# Altium PCB hava_kalitesi_olcumu.PcbDoc (continued)
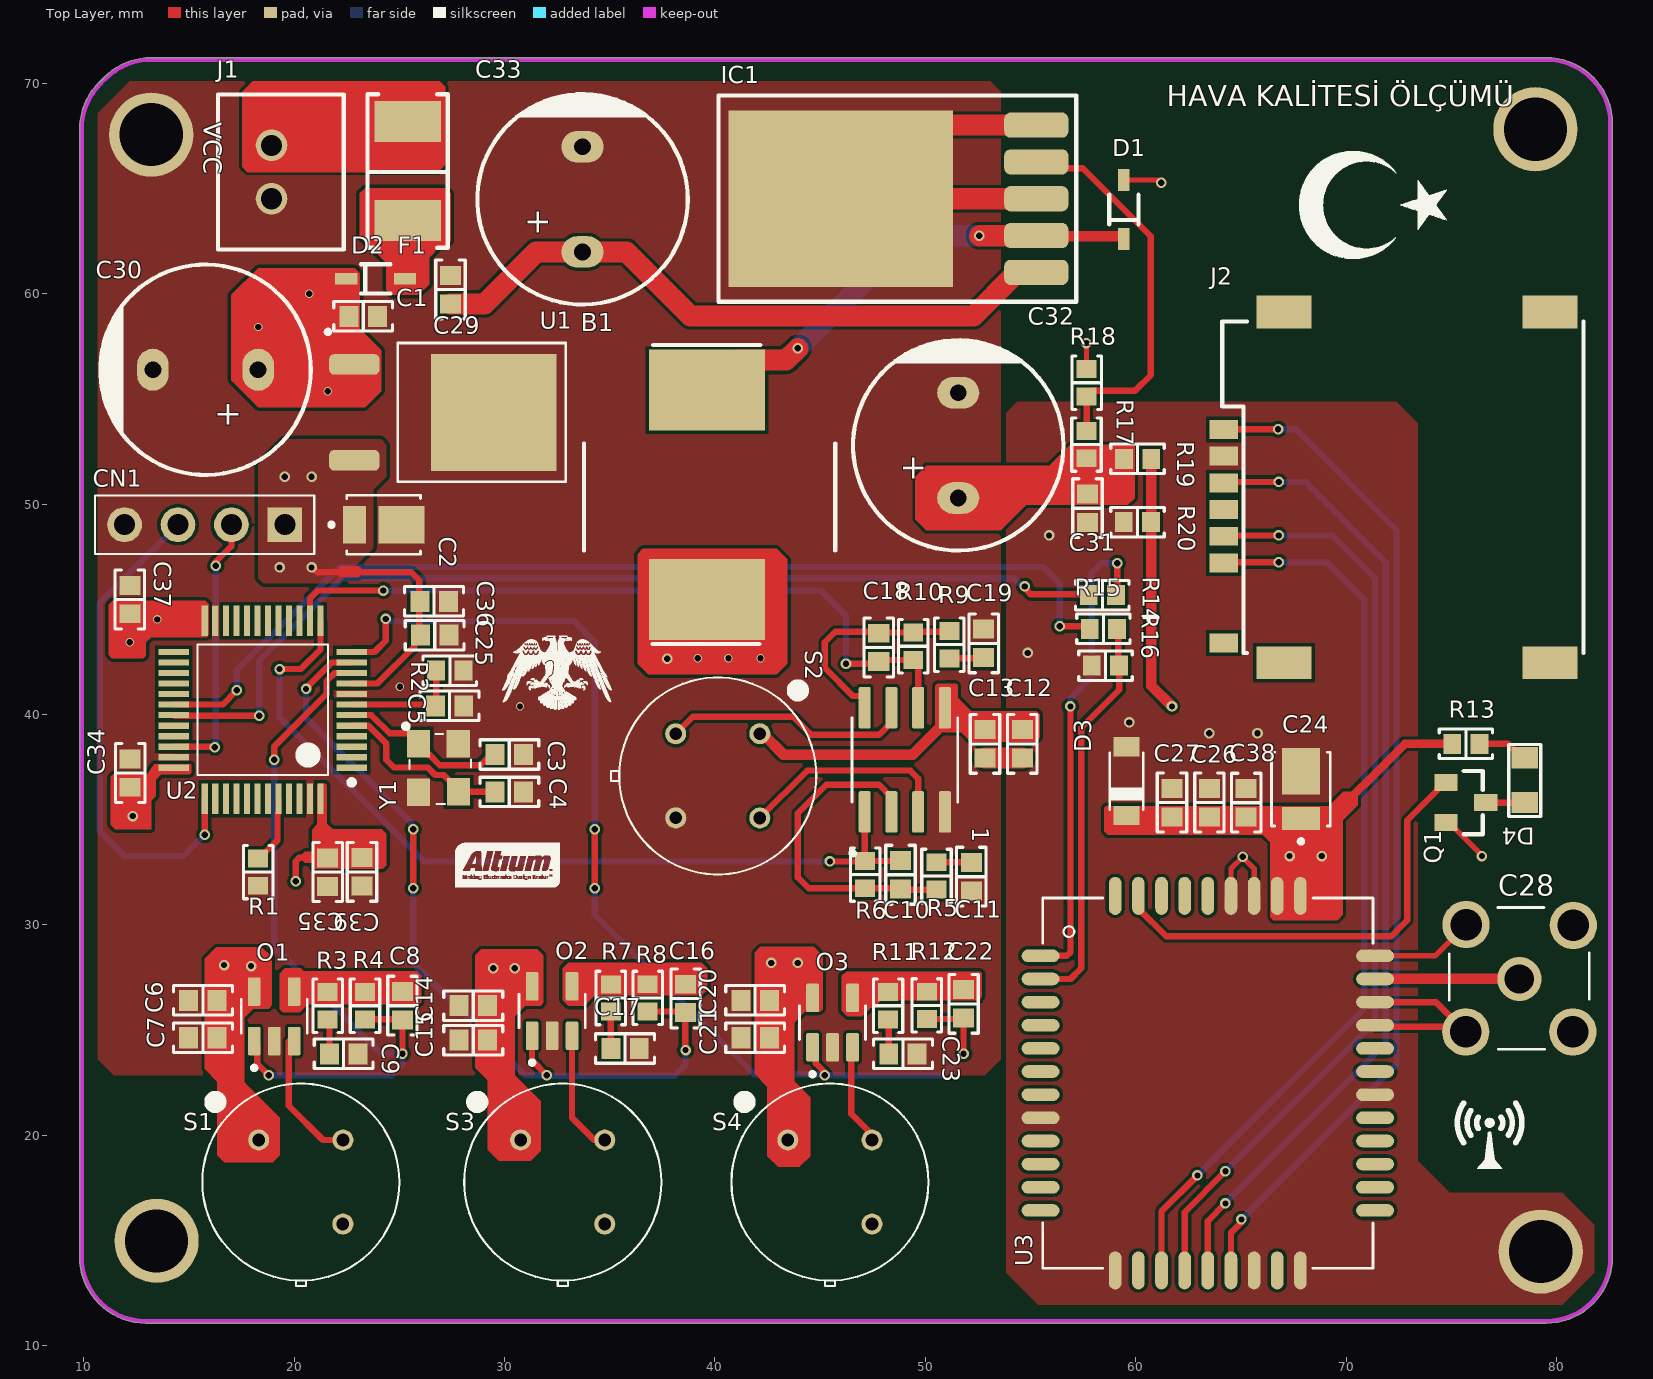
[diagram p0: Top Layer view]
## Footprints (in the part's own frame and the unit in brackets; to place one, negate y for a bottom-side part, rotate by r counter-clockwise, add the part's x,y. Pads: shape width x height; smd on the part's side, far side on the other; paste and mask are expansions set on the pad)
"10x12 Al Cap" [mm]
  oval 1.5x2 hole 0.8: 1(-2.53,0.078) 2(2.47,0.078)
  silkscreen extent -5.03,-4.92 4.97,5.08, body extent -5.03,-4.92 4.97,5.08, height 12.7
"0805 Green LED" [mm] "Led 0805"
  rect 1x1.27 smd: 1(-0.016,0) 2(2.118,0)
  silkscreen extent -0.65,-0.76 2.78,0.76, body extent -0.01,-0.62 2.01,0.63, height 1.1
1808 [mm] "Littelfuse Fuse  6.1mm x 2.69mmx 2.69mm"
  rect 1.96x3.15 smd: 1(-2.4,0) 2(2.3,0)
  silkscreen extent -3.7,-1.91 3.6,1.9, body extent -3.09,-1.38 3.01,1.31, height 2.88
"132134-11 SMA ANTEN" [mm] "CONN SMA JACK STR 50 OHM PCB"
  round 2.25 hole 1.5: G(-1.723,-2.265) G(-1.722,2.826) G(3.339,-2.288) G(3.38,2.811)
  round 2.1 hole 1.4: S(0.794,0.278)
  silkscreen extent -2.54,-3.05 4.19,3.61, body extent -2.39,-2.89 3.96,3.46, height 10
"CAP 0603_1608" [mm] "Chip Capacitor, 2-Leads, Body 1.60x0.80mm, IPC Medium Density"
  rect 0.9x1 smd: 1(-0.675,0) 2(0.675,0)
  silkscreen extent -1.4,-0.7 1.4,0.7, body extent -0.8,-0.41 0.8,0.41, height 0.82
"CONN4 MALE" [mm] "4 PIN 2.54MM"
  rect 1.65x1.65 hole 1 mask+0: 1(3.81,0)
  round 1.65 hole 1 mask+0: 2(1.27,0) 3(-1.27,0) 4(-3.81,0)
  silkscreen extent -5.21,-1.4 5.21,1.4, body extent -5.13,-1.29 5.03,1.25, height 8.89
D2PAK [mm]
  rrect50% 1.2x3.05 smd: 1(-3.6,-7.85) 2(-1.85,-7.85) 3(-0.1,-7.85) 4(1.65,-7.85) 5(3.4,-7.85)
  rect 8.38x10.66 smd mask+0.102: 3(-0.1,1.45)
  silkscreen extent -5,-9.75 4.8,7.25, body extent -5.01,-9.01 4.81,5.59, height 4.22
DR125 [mm]
  rect 3.85x5.5 smd: 1(0,0) 2(9.95,0)
  silkscreen extent -2.14,-5.84 12.06,6.1, body extent -0.92,-5.87 11.08,6.13, height 5.92
GCT_SIM7100-6-1-15-00-A_REVC [mm]
  rect 1.56x2.61 smd: 1(-8.34,5.34) 2(-8.34,-7.29) 3(8.34,-7.29) 4(8.34,5.34)
  rect 0.9x1.35 smd: C1(2.755,8.215) C2(0.215,8.215) C3(-2.325,8.215) C5(1.485,8.215) C6(-1.055,8.215) C7(-3.595,8.215) CD(-7.405,8.215)
  silkscreen extent -7.88,-8.89 7.88,8.28, body extent -8.41,-8.99 8.34,8.34, height 1.5
JST2 [mm] "2 PIN 2.54MM"
  round 1.5 hole 1 mask+0.102: 1(-1.27,0.127) 2(1.27,0.127)
  silkscreen extent -3.68,-3.3 3.68,2.67, body extent -3.61,-3.23 3.61,2.62, height 7.21
LCC110P1570X1760X250-42N [mm]
  oval 1.8x0.6 smd: 1(-7.95,6.05) 2(-7.95,4.95) 3(-7.95,3.85) 4(-7.95,2.75) 5(-7.95,1.65) 6(-7.95,0.55) 7(-7.95,-0.55) 8(-7.95,-1.65) 9(-7.95,-2.75) 10(-7.95,-3.85) 11(-7.95,-4.95) 12(-7.95,-6.05) 22(7.95,-6.05) 23(7.95,-4.95) 24(7.95,-3.85) 25(7.95,-2.75) 26(7.95,-1.65) 27(7.95,-0.55) 28(7.95,0.55) 29(7.95,1.65) 30(7.95,2.75) 31(7.95,3.85) 32(7.95,4.95) 33(7.95,6.05)
  oval 0.6x1.8 smd: 13(-4.4,-8.9) 14(-3.3,-8.9) 15(-2.2,-8.9) 16(-1.1,-8.9) 17(0,-8.9) 18(1.1,-8.9) 19(2.2,-8.9) 20(3.3,-8.9) 21(4.4,-8.9) 34(4.4,8.9) 35(3.3,8.9) 36(2.2,8.9) 37(1.1,8.9) 38(0,8.9) 39(-1.1,8.9) 40(-2.2,8.9) 41(-3.3,8.9) 42(-4.4,8.9)
  silkscreen extent -7.85,-8.8 7.85,8.8, body extent -7.8,-8.8 7.9,8.8, height 2.38
LQFP48 [mm] "TSQFP, 48-Leads, Body 7,00x7,00mm, Pitch 0,50mm, IPC Medium Density"
  rect 1.45x0.3 smd mask+0.05: 1(-4.225,2.75) 2(-4.225,2.25) 3(-4.225,1.75) 4(-4.225,1.25) 5(-4.225,0.75) 6(-4.225,0.25) 7(-4.225,-0.25) 8(-4.225,-0.75) 9(-4.225,-1.25) 10(-4.225,-1.75) 11(-4.225,-2.25) 12(-4.225,-2.75) 25(4.225,-2.75) 26(4.225,-2.25) 27(4.225,-1.75) 28(4.225,-1.25) 29(4.225,-0.75) 30(4.225,-0.25) 31(4.225,0.25) 32(4.225,0.75) 33(4.225,1.25) 34(4.225,1.75) 35(4.225,2.25) 36(4.225,2.75)
  rect 0.3x1.45 smd mask+0.05: 13(-2.75,-4.225) 14(-2.25,-4.225) 15(-1.75,-4.225) 16(-1.25,-4.225) 17(-0.75,-4.225) 18(-0.25,-4.225) 19(0.25,-4.225) 20(0.75,-4.225) 21(1.25,-4.225) 22(1.75,-4.225) 23(2.25,-4.225) 24(2.75,-4.225) 37(2.75,4.225) 38(2.25,4.225) 39(1.75,4.225) 40(1.25,4.225) 41(0.75,4.225) 42(0.25,4.225) 43(-0.25,4.225) 44(-0.75,4.225) 45(-1.25,4.225) 46(-1.75,4.225) 47(-2.25,4.225) 48(-2.75,4.225)
  silkscreen extent -4.35,-3.1 3.1,3.57, body extent -4.5,-4.5 4.5,4.5, height 1.6
OSCILLATOR [mm] "8MHZ 12.5pF"
  rect 1.3x1.1 smd mask+0.05: 1(-1.181,-1.09) 2(1.119,-1.09) 3(1.103,0.817) 4(-1.186,0.801)
  silkscreen extent -2.11,-1.79 1.68,1.41, body extent -1.6,-1.38 1.6,1.12, height 1.22
"RES 0603_1608" [mm] "Chip Resistor, 2-Leads, Body 1.60x0.80mm, IPC Medium Density"
  rect 0.85x0.95 smd: 1(-0.65,0) 2(0.65,0)
  silkscreen extent -1.27,-0.7 1.27,0.7, body extent -0.8,-0.4 0.8,0.4, height 0.45
SOD123 [mm]
  rect 0.91x1.22 smd: A(1.127,-0.127) C(-2.143,-0.127)
  silkscreen extent -1.86,-0.93 0.84,0.67, body extent -2.37,-0.95 1.32,0.65, height 1.35
SOD323F [mm]
  rect 1.05x0.55 smd mask+0.05: 1(-1.4,0) 2(1.4,0)
  silkscreen extent -0.7,-0.7 0.7,0.7, body extent -1.25,-0.67 1.25,0.68, height 1
SOIC8 [mm]
  rrect25% 1.97x0.57 smd: 1(-2.475,1.905) 2(-2.475,0.635) 3(-2.475,-0.635) 4(-2.475,-1.905) 5(2.475,-1.905) 6(2.475,-0.635) 7(2.475,0.635) 8(2.475,1.905)
  silkscreen extent -4.54,-2.51 2,2.57, body extent -3,-2.45 3,2.45, height 1.75
SOT23-5 [mm]
  rrect25% 1.36x0.6 smd: 1(-1.175,0.95) 2(-1.175,0) 3(-1.175,-0.95) 4(1.175,-0.95) 5(1.175,0.95)
  silkscreen extent -2.55,-1.57 0.8,1.57, body extent -1.4,-1.35 1.4,1.55, height 1.45
SOT-23F [mm]
  rect 0.8x1.1 smd mask+0.05: 1(-0.95,-0.945) 2(0.95,-0.945) 3(0,0.945)
  silkscreen extent -1.5,-0.1 1.5,0.8, body extent -1.5,-1.42 1.5,1.42, height 1.2
"TANTAL B-CASE" [mm]
  rect 1.1x1.8 smd: +(2.24,0)
  rect 2.2x1.8 smd: -(0,0)
  silkscreen extent -0.9,-1.4 3.43,1.4, body extent -1.01,-1.48 2.69,1.52, height 2.11
"TO252-3 DPAK" [mm]
  rrect50% 0.98x2.4 smd: 1(-2.28,-6.62) 2(2.28,-6.62)
  rect 5.57x5.96 smd paste-4: 3(0,0)
  silkscreen extent -3.92,-7.97 3.3,3.43, body extent -3.27,-7.24 3.27,2.43, height 2.29
"TO-39 CIRCLE" [mm] "GAS DETECTOR"
  round 1 hole 0.6 mask+0.102: 1(-2.001,-2.004) 2(-1.999,1.998) 3(1.996,1.995)
  silkscreen extent -4.68,-4.68 4.95,4.68, body extent -4.59,-4.59 4.97,4.6, height 4.25
"TO-39 DUAL" [mm] "GAS DETECTOR"
  round 1 hole 0.6 mask+0.102: 1(-2.255,-2.004) 2(-2.253,1.998) 3(1.743,-2.002) 4(1.742,1.995)
  silkscreen extent -4.94,-4.68 4.83,4.68, body extent -4.85,-4.59 4.83,4.6, height 3.9

## Part data
1: "Operational Amplifiers Op Amps SOIC-8 2 Channel 20 MHz", ComponentLink1Description=Digi-Key, ComponentLink1URL=https://www.digikey.com/en/products/detail/stmicroelectronics/TSV992IDT/1578406
B1: "DR125"
C1 C3 C4 C5 C6 C7 C8 C9 C10 C11 C12 C13 C14 C15 C16 C17 C18 C19 C20 C21 C22 C23 C25 C26 C27 C29 C31 C34 C35 C36 C37 C38 C39: "CERAMİC 1206 SMD"
C2 C24: "TANTAL"
C28: library part "Anten SMA  2", "SMA Anten Connector", ComponentLink1Description=Özdisan, ComponentLink1URL=https://www.ozdisan.com/konnektor-ve-baglanti-elemanlari/koaksiyel-konnektorler/sma-konnektorler/CONSMA002-G
C30 C32 C33: "Aluminium Electrolytic Capacitors", ComponentLink1URL=https://www.mouser.com.tr/datasheet/2/427/136rvi-1762300.pdf
  C30 C33: ComponentLink1Description=Vishay
  C32: ComponentLink1Description=Vİshay
CN1: "4 PIN 2.54MM"
D1 D2: "Diode, Single, 75 V, 150 mA, 1 V, 4 ns", Average Rectified Current=150mA, Forward Voltage=1V, Manufacturer="ON Semiconductor / Fairchild", Max Forward Surge Current (Ifsm)=2A, Max Operating Temperature=150°C, Max Repetitive Reverse Voltage (Vrrm)=75V, Max Reverse Current=5uA, Min Operating Temperature=-55°C, Package Quantity=1, Power Dissipation=200mW, Supplier Part Number 1=1N4148WSFSCT-ND, Category="Rectifier Diodes", ComponentLink1Description=https://datasheet.ciiva.com/25968/1n914bws-25968945.pdf?src-supplier=Avnet+Europe, ComponentLink1URL=https://datasheet.ciiva.com/25968/1n914bws-25968945.pdf?src-supplier=Avnet+Europe, ComponentLink2Description=https://datasheet.ciiva.com/30479/0900766b810e1cd3-30479206.pdf?src-supplier=RSComponents, ComponentLink2URL=https://datasheet.ciiva.com/30479/0900766b810e1cd3-30479206.pdf?src-supplier=RSComponents, ComponentLink3Description=https://datasheet.ciiva.com/910/1n4148ws-910381.pdf?src-supplier=Digi-Key, ComponentLink3URL=https://datasheet.ciiva.com/910/1n4148ws-910381.pdf?src-supplier=Digi-Key, ComponentLink4Description=https://datasheet.ciiva.com/15208/getdatasheetpartid-127819-15208358.pdf?src-supplier=Verical, ComponentLink4URL=https://datasheet.ciiva.com/15208/getdatasheetpartid-127819-15208358.pdf?src-supplier=Verical, ComponentLink5Description=https://datasheet.ciiva.com/8300/1n914bws-8300360.pdf?src-supplier=Avnet, ComponentLink5URL=https://datasheet.ciiva.com/8300/1n914bws-8300360.pdf?src-supplier=Avnet, ComponentLink6Description=https://datasheet.ciiva.com/910/1n4148ws-910380.pdf?src-supplier=Digi-Key, ComponentLink6URL=https://datasheet.ciiva.com/910/1n4148ws-910380.pdf?src-supplier=Digi-Key, ComponentLink7Description=https://datasheet.ciiva.com/910/1n4148ws-910382.pdf?src-supplier=Digi-Key, ComponentLink7URL=https://datasheet.ciiva.com/910/1n4148ws-910382.pdf?src-supplier=Digi-Key, Contact Plating=Tin,Matte, Element Configuration=Single, Forward Current=150mA, Height=1mm, Lead Free="Lead Free", Length=1.8mm, Manufacturer Part Number=1N4148WS, Max Reverse Voltage (DC)=75V, Mount="Surface Mount", Number of Pins=2, Packaging="Tape and Reel", Pricing 1="1=0,17000, 10=0,12100, 100=0,06530, 500=0,05128, 1000=0,03562 (USD)", Radiation Hardening=No, REACH SVHC="No SVHC", Recovery Time=4ns, Reverse Recovery Time=4ns, Reverse Voltage=75V, RoHS=Yes, RoHS Compliant=Yes, Series=-, Stock 1=79118, Supplier 1=Digi-Key, Weight=0.0276g, Width=1.35mm
D3: "SOD123", Breakdown Voltage=5.88V, Case/Package=SMB, Forward Voltage=1.5V, Manufacturer="ON Semiconductor", Manufacturer Part Number=1SMB5919BT3G, Max Operating Temperature=150°C, Max Power Dissipation=3W, Max Reverse Current=5uA, Min Operating Temperature=-65°C, Package Quantity=1, Power Dissipation=550mW, Supplier Part Number 1=1SMB5919BT3GOSCT-ND, Test Current=66.9mA, Tolerance=5%, Voltage Rating (DC)=5.6V, Zener Current=267mA, Category="Zener Diodes", ComponentLink2Description=https://datasheet.ciiva.com/1182/1smb5913bt3-d-1182657.pdf?src-supplier=Element14, ComponentLink2URL=https://datasheet.ciiva.com/1182/1smb5913bt3-d-1182657.pdf?src-supplier=Element14, ComponentLink3Description=https://datasheet.ciiva.com/1182/1smb5913bt3-d-1182658.pdf?src-supplier=Element14, ComponentLink3URL=https://datasheet.ciiva.com/1182/1smb5913bt3-d-1182658.pdf?src-supplier=Element14, ComponentLink4Description=https://datasheet.ciiva.com/895/1smb5913bt3-d-895203.pdf?src-supplier=Digi-Key, ComponentLink4URL=https://datasheet.ciiva.com/895/1smb5913bt3-d-895203.pdf?src-supplier=Digi-Key, ComponentLink5Description=https://datasheet.ciiva.com/895/1smb5913bt3-d-895204.pdf?src-supplier=Digi-Key, ComponentLink5URL=https://datasheet.ciiva.com/895/1smb5913bt3-d-895204.pdf?src-supplier=Digi-Key, ComponentLink6Description=https://datasheet.ciiva.com/895/1smb5913bt3-d-895205.pdf?src-supplier=Digi-Key, ComponentLink6URL=https://datasheet.ciiva.com/895/1smb5913bt3-d-895205.pdf?src-supplier=Digi-Key, ComponentLink7Description=https://datasheet.ciiva.com/15198/getdatasheetpartid-311040-15198695.pdf?src-supplier=Verical, ComponentLink7URL=https://datasheet.ciiva.com/15198/getdatasheetpartid-311040-15198695.pdf?src-supplier=Verical, ComponentLink8Description=https://datasheet.ciiva.com/16311/1smb5913bt3-d-16311847.pdf?src-supplier=Future+Electronics, ComponentLink8URL=https://datasheet.ciiva.com/16311/1smb5913bt3-d-16311847.pdf?src-supplier=Future+Electronics, ComponentLink9Description=https://datasheet.ciiva.com/16472/1smb5913bt3-d-16472779.pdf?src-supplier=Avnet+Asia, ComponentLink9URL=https://datasheet.ciiva.com/16472/1smb5913bt3-d-16472779.pdf?src-supplier=Avnet+Asia, Contact Plating=Tin,Matte, Element Configuration=Single, ESD Protection=Yes, Halogen Free="Halogen Free", Height=2.13mm, Lead Free="Lead Free", Length=4.32mm, Material=Plastic, Max Reverse Leakage Current=5uA, Number of Pins=2, Packaging="Tape and Reel", Power Rating=3W, Pricing 1="1=0,45000, 10=0,31900, 100=0,16110, 500=0,14274, 1000=0,11109 (USD)", Radiation Hardening=No, REACH SVHC="No SVHC", RoHS=Yes, Supplier 1=Digi-Key, Voltage Tolerance=5%, Width=3.56mm, Zener Voltage=5.6V, Impedance=2R
D4: Current=20mA, Manufacturer="AVAGO Technologies", Manufacturer Code=HSMG-C170, Voltage=2.2V, Farnell Code=5790852, Unit Price="0,134 €"
F1: library part FUSE, "FUSE BRD MNT 125VAC/VDC", ComponentLink1Description=Direnc.net, ComponentLink1URL=https://www.direnc.net/1a-smd-sigorta, ComponentLink2Description=Motorobit, ComponentLink2URL=https://www.motorobit.com/urun/1a-1808-kilif-smd-sigorta, ComponentLink3Description=Datasheet, ComponentLink3URL=https://www.littelfuse.com/~/media/electronics/datasheets/fuses/littelfuse_fuse_452_454_datasheet.pdf.pdf, ComponentLink4Description=Step, ComponentLink4URL=https://www.3dcontentcentral.com.tr/secure/download-model.aspx?catalogid=171&id=343808, ComponentLink5Description=Özdisan, ComponentLink5URL=https://www.ozdisan.com/devre-koruyucular/sigorta-bilesenleri/sigortalar/0454001-NR
IC1: "Buck Converter"
J1: "2 PIN 2.54MM"
J2: library part SIM7100-6-1-15-00-A, "Memory Card Connectors Micro SIM Card Connector - Push-Push Type, 6 Pin, SMT, 1.50mm Profile", Package=None, Availability=Unavailable, ComponentLink1Description=Özdisan, ComponentLink1URL=https://ozdisan.com/konnektor-ve-baglanti-elemanlari/hafiza-konnektorleri/pc-kart-soketleri/L-KLS1-SIM-064-62P-H1, MF="Global Connector Technology", MP=SIM7100-6-1-15-00-A, Price=None, SnapEDA_Link=https://www.snapeda.com/parts/SIM7100-6-1-15-00-A/Global%20Connector%20Technology/view-part/449163/?ref=snap
O1 O2 O3: "Operational Amplifiers Op Amps SOT23-5 1 Channel 20 MHz", ComponentLink1Description=Mouser, ComponentLink1URL=https://www.mouser.com.tr/ProductDetail/STMicroelectronics/TSV991AILT?qs=NCG0bTVqH4ejiP6AM1B8jw%3D%3D
Q1: "Transistor General Purpose BJT NPN 40 Volt 0.2A Automotive 3-Pin SOT-23", Case/Package=SOT-23, Collector Base Voltage (VCBO)=60V, Collector Emitter Breakdown Voltage=40V, Collector Emitter Saturation Voltage=300mV, Continuous Collector Current=200mA, Emitter Base Voltage (VEBO)=6V, Frequency=300MHz, Manufacturer="Diodes Zetex", Max Operating Temperature=150°C, Max Power Dissipation=300mW, Min Operating Temperature=-55°C, Package Quantity=3000, Power Dissipation=350mW, Supplier Part Number 1=MMBT3904-FDIDKR-ND, Category=BJTs, Collector Emitter Voltage (VCEO)=40V, Collector-emitter Voltage-Max=300mV, ComponentLink1Description=https://datasheet.ciiva.com/11201/ds30036-11201778.pdf?src-supplier=Avnet, ComponentLink1URL=https://datasheet.ciiva.com/11201/ds30036-11201778.pdf?src-supplier=Avnet, ComponentLink2Description=https://datasheet.ciiva.com/15138/getdatasheetpartid-53265-15138780.pdf?src-supplier=Verical, ComponentLink2URL=https://datasheet.ciiva.com/15138/getdatasheetpartid-53265-15138780.pdf?src-supplier=Verical, ComponentLink3Description=https://datasheet.ciiva.com/6361/ds30036-6361254.pdf?src-supplier=Digi-Key, ComponentLink3URL=https://datasheet.ciiva.com/6361/ds30036-6361254.pdf?src-supplier=Digi-Key, ComponentLink4Description=https://datasheet.ciiva.com/22711/1915516-22711750.pdf?src-supplier=Element14, ComponentLink4URL=https://datasheet.ciiva.com/22711/1915516-22711750.pdf?src-supplier=Element14, ComponentLink5Description=https://datasheet.ciiva.com/11198/ds30036-11198999.pdf?src-supplier=Avnet, ComponentLink5URL=https://datasheet.ciiva.com/11198/ds30036-11198999.pdf?src-supplier=Avnet, ComponentLink6Description=https://datasheet.ciiva.com/6361/ds30036-6361256.pdf?src-supplier=Digi-Key, ComponentLink6URL=https://datasheet.ciiva.com/6361/ds30036-6361256.pdf?src-supplier=Digi-Key, Contact Plating=Tin,Matte, Designed by=BERK, Element Configuration=Single, Gain Bandwidth Product=300MHz, Height=1mm, hFE Min=100, Lead Free="Lead Free", Length=3.05mm, Manufacturer Part Number=MMBT3904-7-F, Max Breakdown Voltage=40V, Max Collector Current=200mA, Max Frequency=300MHz, Mount="Surface Mount", Number of Elements=1, Number of Pins=3, Packaging="Tape and Reel", Polarity=NPN, Pricing 1="1=0,12000, 10=0,08600, 25=0,08280, 100=0,04660, 500=0,03664, 1000=0,02544 (USD)", Radiation Hardening=No, REACH SVHC="No SVHC", RoHS=Yes, RoHS Compliant=Yes, Series=-, Stock 1=2393281, Supplier 1=Digi-Key, Transition Frequency=300MHz, Voltage Rating (DC)=40V, Weight=0.000282oz, Width=1.4mm
R1 R2 R3 R4 R5 R6 R7 R8 R9 R10 R11 R12 R13 R14 R15 R16 R17 R18 R19 R20: "SMT RES 1206"
S1 S3 S4: library part "QGC Circle Sensor", "GAS DETECTOR, ANALOG TO-39, GAS"
S2: library part "QGC Dual Sensor", "GAS DETECTOR, ANALOG TO-39, GAS"
U1: library part LD29150, "IC-29150 REG LDO 3V3 1.5A DPAK", ComponentLink1Description=Özdisan, ComponentLink1URL=https://ozdisan.com/entegre-devreler-ics/guc-entegreleri/lineer-voltaj-regulatorleri/LD29150DT33R
U2: "STM32F103C8T6 SMD LQFP-48 32-Bit 72 MHz Mikrodenetleyici", ComponentLink1Description=F1Depo, ComponentLink1URL=https://www.f1depo.com/urun/stm32f103c8t6-smd-lqfp-48-32-bit-72-mhz-mikrodenetleyici, ComponentLink2Description=Datasheet, ComponentLink2URL=https://www.st.com/resource/en/datasheet/stm32f103c8.pdf
U3: "GSM/Bluetooth", Package=None, ComponentLink1Description=Robolink, ComponentLink1URL=https://www.robolinkmarket.com/sim800c-gsm-gprs-modulu, MP=SIM800C, Price=None
Y1: "8MHZ 12.5pF", ComponentLink1Description=Özdisan, ComponentLink1URL=https://ozdisan.com/pasif-komponentler/kristaller-osilatorler-ve-rezanatorler/kristaller/RH100-8-000-12-5-20150-E

## Free pads (board coordinates)
  round 4 hole 3: GND(13.208,67.564) GND(13.462,14.986) GND(78.994,67.818) GND(79.248,14.478)

## Via types
v1: diameter 0.5, hole 0.3, Top Layer to Bottom Layer, 61 vias
v2: diameter 0.4, hole 0.3, Top Layer to Bottom Layer, 10 vias

## Nets (pads, with @x,y where several pads share a name; then routed paths per layer and width w, separated by ;. In a path a pad name is that pad's centre, name@x,y a point inside that pad or via, vN(x,y) a via of type N, cw(c..) or ccw(c..) an arc to the next point about the centre after c; other vN are vias at no path point)
+3V3: C2.+ C25.2 C34.2 C35.2 C36.2 C37.2 C39.2 CN1.1 U1.2 U2.9 U2.24 U2.36 U2.48 | length 17.3
  Top Layer w0.3: v1@12.304,35.288 12.332,35.26 v1(12.332,35.176) ; v1(20.078,32.073) 20.078,33.031 20.254,33.206 21.571,33.206 C35.2 21.64,33.187 22.081,33.628 C39.2@23.686,33.628 ; v1(20.828,46.99) 20.872,46.99 21.104,46.758 25.569,46.758 25.941,46.387 25.941,45.415 C36.2 ; U2.9 23.949,41.475 25.703,43.229 25.703,43.475 C25.2 25.941,43.837 C36.2@25.941,45.379
  other v1: 19.304,46.99 19.558,51.308 20.828,51.308
  other v2: 12.192,43.434 13.486,44.521
+4V2: C24.+ C26.2 C27.2 C38.2 D3.C R13.2 R19.1 R20.2 U3.34 U3.35 | length 21.4
  Top Layer w0.4: v1(68.834,33.274) 68.834,34.655 72.787,38.608 R13.2
  Top Layer w0.5: R19.1 60.733,52.15 R20.2 R20.2 60.73,41.378 v1(61.722,40.386)
  other v1: 67.31,33.274
+5V: 1.5 B1.2 C6.1 C7.2 C12.1 C13.2 C14.1 C15.2 C20.1 C21.2 C31.2 C32.1 O1.5 O2.5 O3.5 R17.2 R19.2 S1.1 S2.1 S3.1 S4.1 | length 10.9
  Top Layer w0.5: B1.2 B1.2@39.878,45.212 ; S2.1 42.268,39.088 43.257,38.1 49.406,38.1 50.927,39.621 1.5
  other v1: 29.464,27.94 30.48,27.94 17.949,28.045 16.669,28.093 42.672,28.194 43.942,28.194 37.736,42.647
  other v2: 39.182,42.669 40.64,42.672 42.164,42.672
+12V: C1.2 C29.2 C30.1 C33.1 D2.1 IC1.1 U1.1 | length 31.3
  Top Layer w1: C29.2 29.043,59.523 31.506,61.986 C33.1 ; C33.1@33.454,61.986 35.804,61.986 38.846,58.944 52.277,58.944 54.249,60.916 IC1.1@55.348,60.916
  other v2: 21.59,55.372 18.288,58.42 20.712,60.006
CO2_IN+: O3.3 S4.2 | length 4.9
  Top Layer w0.3: O3.3 46.482,24.125 46.482,21.018 S4.2@47.691,19.809
CO2_IN-: C22.1 O3.4 R11.2 R12.1
CO2_OUT: C22.2 O3.1 R12.2 U2.12 | length 52.3
  Top Layer w0.3: U2.12 23.818,42.975 24.348,43.505 v1(24.348,44.543) ; v1(34.29,31.75) v1(34.29,34.544) ; O3.1 44.789,24.031 44.789,23.419 45.212,22.995 v1(45.212,22.86) ; R12.2 51.767,25.525 C22.2 v1(51.816,23.876)
  Bottom Layer w0.3: v1@24.384,44.45 33.274,44.45 34.29,43.434 v1(34.29,34.544) ; v1(34.29,31.75) 34.29,30.48 41.872,22.898 45.174,22.898 v1(45.212,22.86) 50.8,22.86 v1(51.816,23.876)
CO_IN+: O2.3 S3.2 | length 4.9
  Top Layer w0.3: O2.3@33.208,24.225 33.208,20.827 34.256,19.779
CO_IN-: C16.1 O2.4 R7.2 R8.1
CO_OUT: C16.2 O2.1 R8.2 U2.11 | length 39.7
  Top Layer w0.3: v1(20.563,41.216) 20.563,41.249 21.79,42.475 U2.11 ; v1(25.654,31.75) v1(25.654,34.544) ; O2.1 31.308,23.556 v1(32.004,22.86) ; R8.2 38.554,25.882 C16.2 38.593,25.821 38.593,24.064 v1(38.604,24.054)
  Bottom Layer w0.3: v1(20.563,41.216) 20.563,39.852 25.558,34.857 25.558,34.64 v1(25.654,34.544) ; v1(25.654,31.75) 25.654,28.194 30.988,22.86 v1(32.004,22.86) 32.03,22.834 38.074,22.834 38.604,23.364 v1(38.604,24.054)
Feedback: IC1.4 R17.1 R18.2 | length 18.7
  Top Layer w0.3: IC1.4 55.569,65.971 57.473,65.971 60.706,62.738 60.706,56.134 59.965,55.393 57.943,55.393 R18.2 57.669,53.493 R17.1 ; IC1.4@55.348,65.912 IC1.4@55.442,65.818
GND: 1.4 C1.1 C2.- C3.2 C4.2 C5.1 C6.2 C7.1 C9.1 C11.1 C12.2 C13.1 C14.2 C15.1 C17.1 C19.1 C20.2 C21.1 C23.1 C24.- C25.1 C26.1 C27.1 C28.G C29.1 C30.2 C31.1 C32.2 C33.2 C34.1 C35.1 C36.1 C37.1 C38.1 C39.1 CN1.4 D1.2 D3.A IC1.3 IC1.5 J1.1 J2.C5 O1.2 O2.2 O3.2 pad.GND Q1.2 R1.1 R2.2 R16.1 R18.1 R20.1 S1.3 S2.4 S3.3 S4.3 U1.3 U2.8 U2.23 U2.35 U2.47 U3.8 U3.13 U3.19 U3.21 U3.27 U3.30 U3.31 U3.33 U3.36 U3.37 Y1.2 Y1.4 | length 45.4
  Top Layer w0.254: v1(57.658,57.658) 57.658,56.431 R18.1 ; D1.2 61.017,65.408 61.147,65.278 v1(61.214,65.278) ; U3.37 64.524,32.679 v1(65.084,33.238) 65.084,33.215 65.624,32.674 U3.36 ; U3.33 74.214,28.532 C28.G@75.699,30.018 ; Q1.2 74.897,34.864 76.454,33.307 v1(76.454,33.274)
  Top Layer w0.3: J2.C5 J2.C5@64.214,52.324 ; U3.30 71.44,25.166 C28.G@75.435,25.166 ; U3.31 74.269,26.332 C28.G@75.435,25.166 ; C28.G@75.685,24.916 C28.G@75.435,25.166
  Top Layer w1: C13.1 C12.2 ; IC1.3@55.274,64.516 45.974,64.516 49.474,68.016 IC1.5
  other v1: 63.5,39.116 65.786,39.116 59.69,39.624 54.864,42.926 55.88,48.514
  other v2: 30.734,40.386 25.027,41.326
GSM_ANT: C28.S U3.32 | length 6.9
  Top Layer w0.5: U3.32 C28.S
GSM_RX: R15.1 U2.30 | length 49.2
  Top Layer w0.3: U2.30 16.599,40.475 v1(17.272,41.148) ; v1(56.388,44.196) 57.689,44.196 R15.1
  Bottom Layer w0.3: v1(17.272,41.148) 17.272,42.12 22.165,47.013 55.603,47.013 56.388,46.228 v1(56.388,44.196)
GSM_TX: R14.1 U2.31 | length 48.1
  Top Layer w0.3: U2.31 14.318,39.938 v1(18.348,39.938) ; v1(54.725,46.089) 54.745,46.069 54.745,45.974 54.999,45.72 57.716,45.72 R14.1
  Bottom Layer w0.3: v1(18.348,39.938) 18.348,42.556 22.273,46.482 54.197,46.482 54.49,46.189 54.571,46.189 54.671,46.089 v1(54.725,46.089)
NetB1_1: B1.1 D1.1 IC1.2 | length 23.3
  Top Layer w0.5: IC1.2 55.302,62.738 59.411,62.738 59.436,62.713 D1.1@59.436,62.35
  Top Layer w1: B1.1 41.049,56.841 43.379,56.841 v1(43.942,57.404) ; v1(52.566,62.758) 55.226,62.758 55.246,62.738 IC1.2
  Bottom Layer w1: v1(43.942,57.404) 49.296,62.758 v1(52.566,62.758)
NetC9_2: C9.2 R3.1 | length 1.7
  Top Layer w0.3: R3.1 21.677,25.425 C9.2
NetC11_2: C11.2 R5.1 | length 1.7
  Top Layer w0.3: R5.1 52.177,32.978 C11.2
NetC17_2: C17.2 R7.1 | length 1.7
  Top Layer w0.3: C17.2 R7.1
NetC19_2: C19.2 R9.1 | length 1.7
  Top Layer w0.3: R9.1 52.736,42.672 C19.2
NetC23_2: C23.2 R11.1 | length 1.6
  Top Layer w0.3: R11.1 48.26,25.476 C23.2
NetD2_2: D2.2 F1.2
NetD4_1: D4.1 R13.1 | length 2.4
  Top Layer w0.3: R13.1 77.691,38.608 78.351,37.948 D4.1
NetD4_2: D4.2 Q1.3 | length 1.8
  Top Layer w0.3: Q1.3 D4.2
NetF1_1: F1.1 J1.2
NETLIGHT: Q1.1 U3.41 | length 21.6
  Top Layer w0.3: U3.41 60.124,30.782 61.442,29.464 72.136,29.464 72.898,30.226 72.898,34.981 74.347,36.43 74.347,36.514 74.63,36.797 Q1.1@74.714,36.797
NetR1_2: R1.2 U2.44 | length 3.3
  Top Layer w0.3: R1.2 18.338,33.162 19.208,34.032 19.208,35.289 19.256,35.337 U2.44
NetR14_2: R14.2 U3.1 | length 22.9
  Top Layer w0.3: U3.1 56.72,28.532 56.896,28.708 v1(56.896,40.386) ; R14.2 59.123,45.731 v1(59.123,47.185)
  Bottom Layer w0.3: v1(56.896,40.386) 56.896,40.775 57.912,41.791 57.912,46.736 58.361,47.185 v1(59.123,47.185)
NetR15_2: R15.2 R16.2 U3.2 | length 19.1
  Top Layer w0.3: U3.2 56.896,27.432 57.404,27.94 57.404,39.37 59.211,41.177 R16.2 59.162,42.369 59.162,44.023 R15.2
NO2_IN1+: 1.3 S2.2 | length 10.2
  Top Layer w0.3: S2.2 44.383,37.338 49.276,37.338 49.657,36.957 1.3
NO2_IN1-: 1.2 C10.1 R5.2 R6.1 | length 15.8
  Top Layer w0.3: 1.2 48.387,36.071 47.8,36.658 45.294,36.658 43.942,35.306 43.942,32.258 44.456,31.744 R6.1 48.786,31.744 C10.1 48.852,31.678 R5.2
NO2_IN2+: 1.7 S2.3 | length 11.9
  Top Layer w0.3: S2.3 38.939,39.89 43.713,39.89 44.569,39.034 47.8,39.034 48.387,39.621 1.7
NO2_IN2-: 1.8 C18.1 R9.2 R10.1 | length 10.4
  Top Layer w0.3: 1.8 47.117,40.745 46.982,40.88 46.558,40.88 45.212,42.226 45.212,43.434 45.72,43.942 47.708,43.942 C18.1 47.818,43.897 R10.1 49.462,43.935 51.098,43.935 R9.2
NO2_OUT1: 1.1 C10.2 R6.2 U2.13 | length 40.7
  Top Layer w0.3: v1(19.304,42.164) 20.32,42.164 21.256,43.1 U2.13 ; v1(45.466,33.02) 47.112,33.02 R6.2 ; 1.1 47.117,33.062 R6.2 ; C10.2 48.805,33.044 R6.2
  Bottom Layer w0.3: v1(19.304,42.164) 19.304,39.878 26.162,33.02 v1(45.466,33.02)
NO2_OUT2: 1.6 C18.2 R10.2 U2.14 | length 35.1
  Top Layer w0.3: U2.14 20.756,45.537 21.114,45.895 v1(24.237,45.895) ; v1(46.228,42.418) 47.689,42.418 C18.2 47.868,42.597 R10.2 49.657,42.365 1.6
  Bottom Layer w0.3: v1(24.237,45.895) 45.037,45.895 46.228,44.704 v1(46.228,42.418)
NRST: C5.2 R2.1 U2.7 | length 5.7
  Top Layer w0.3: U2.7 26.651,40.475 C5.2 26.75,40.457 R2.1
OSC_IN: C4.1 U2.5 Y1.3 | length 8.6
  Top Layer w0.3: U2.5 23.533,39.475 24.383,38.625 24.383,37.847 24.749,37.481 26.362,37.481 26.715,37.129 27.11,37.129 27.815,36.423 Y1.3 29.55,36.323 C4.1
OSC_OUT: C3.1 U2.6 Y1.1 | length 8.3
  Top Layer w0.3: U2.6 23.672,39.975 24.539,39.108 25.508,39.108 25.908,38.708 Y1.1 25.908,38.508 26.308,38.108 26.408,38.108 26.924,37.592 28.839,37.592 29.551,38.304 C3.1@29.551,38.354
SIM_CLK: J2.C3 U3.16 | length 44.7
  Top Layer w0.3: U3.16 62.324,16.35 v1(64.262,18.288) ; J2.C3 64.214,48.514 v1(66.802,48.514)
  Bottom Layer w0.3: v1(64.262,18.288) 71.374,25.4 71.374,46.482 69.342,48.514 v1(66.802,48.514)
SIM_DATA: J2.C7 U3.15 | length 43.3
  Top Layer w0.3: U3.15 61.224,16.384 v1(62.933,18.093) ; J2.C7 64.214,47.244 v1(66.802,47.244)
  Bottom Layer w0.3: v1(62.933,18.093) 70.866,26.026 70.866,45.466 69.088,47.244 v1(66.802,47.244)
SIM_RST: J2.C2 U3.17 | length 46.5
  Top Layer w0.3: U3.17 63.424,15.926 v1(64.262,16.764) ; J2.C2 64.214,51.054 v1(66.802,51.054)
  Bottom Layer w0.3: v1(64.262,16.764) 71.882,24.384 71.882,47.244 68.072,51.054 v1(66.802,51.054)
SIM_VDD: J2.C1 U3.18 | length 48.6
  Top Layer w0.3: J2.C1 v1(66.763,53.555) ; U3.18 64.524,15.367 65.024,15.867 v1(65.024,16.002)
  Bottom Layer w0.3: v1(65.024,16.002) 72.39,23.368 72.39,48.768 67.603,53.555 v1(66.763,53.555)
SO2_IN+: O1.3 S1.2 | length 6.3
  Top Layer w0.3: O1.3@19.746,24.479 19.746,21.402 21.368,19.78 22.317,19.78 S1.2
SO2_IN-: C8.1 O1.4 R3.2 R4.1 | length 0
  Top Layer w0.3: O1.4 O1.4@20.017,26.812
SO2_OUT: C8.2 O1.1 R4.2 U2.10 | length 35.7
  Top Layer w0.3: O1.1 18.25,24.329 18.25,23.406 v1(18.796,22.86) ; v1(19.05,37.846) 19.05,38.483 21.554,40.987 21.554,41.6 21.929,41.975 U2.10 ; R4.2 25.121,25.512 C8.2 v1(25.146,23.876) v1@25.234,23.964
  Bottom Layer w0.3: v1(18.796,22.86) 24.638,22.86 25.146,23.368 v1(25.146,23.876) 24.13,23.876 19.05,28.956 v1(19.05,37.846)
SWCLK: CN1.3 U2.37 | length 23.7
  Top Layer w0.3: v1(15.748,34.29) 15.748,35.992 U2.37
  Bottom Layer w0.3: CN1.3 10.765,45.309 10.765,34.447 11.938,33.274 14.732,33.274 v1(15.748,34.29)
SWDIO: CN1.2 U2.34 | length 12.8
  Top Layer w0.3: U2.34 16.192,38.475 v1(16.22,38.447) ; v1(16.268,47.065) 16.268,47.256 17.018,48.006 CN1.2
  Bottom Layer w0.3: v1@16.256,38.489 16.268,38.502 v1(16.268,47.065)
pads on no net: J2.1 J2.2 J2.3 J2.4 J2.C6 J2.CD U2.1 U2.2 U2.3 U2.4 U2.15 U2.16 U2.17 U2.18 U2.19 U2.20 U2.21 U2.22 U2.25 U2.26 U2.27 U2.28 U2.29 U2.32 U2.33 U2.38 U2.39 U2.40 U2.41 U2.42 U2.43 U2.45 U2.46 U3.3 U3.4 U3.5 U3.6 U3.7 U3.9 U3.10 U3.11 U3.12 U3.14 U3.20 U3.22 U3.23 U3.24 U3.25 U3.26 U3.28 U3.29 U3.38 U3.39 U3.40 U3.42

## Polygon pours and split planes (outlines as drawn)
GND on Top Layer "GND_L01_P025" (solid, pour order 25): 53.848,13.462 55.372,11.938 80.264,11.938 81.788,13.462 81.788,15.748 80.264,17.272 74.93,17.272 73.406,18.796 73.406,53.848 72.39,54.864 54.356,54.864 53.848,54.356
GND on Top Layer "GND_L01_P023" (solid, pour order 23): 12.192,70.104 10.668,68.58 10.668,23.622 11.43,22.86 52.832,22.86 53.594,23.622 53.594,69.596 53.086,70.104
+3V3 on Top Layer "+3V3_L01_P000" (solid, pour order 0): 19.5,53.086 18.288,51.874 18.288,46.478 18.522,46.243 22.113,46.243 22.606,46.736 23.032,47.162 23.768,47.898 23.768,50.692 24.384,51.308 24.384,52.832 24.13,53.086
GND on Bottom Layer "GND_L04_P026" (solid, pour order 26): 53.848,13.462 55.372,11.938 80.264,11.938 81.788,13.462 81.788,15.748 80.264,17.272 74.93,17.272 73.406,18.796 73.406,53.848 72.39,54.864 54.356,54.864 53.848,54.356
GND on Bottom Layer "GND_L04_P024" (solid, pour order 24): 12.192,70.104 10.668,68.58 10.668,23.622 11.43,22.86 52.832,22.86 53.594,23.622 53.594,69.596 53.086,70.104
GND on Int1 (GND) (split plane): 11.092,12.348 11.094,12.346 11.092,12.348 11.092,12.347 11.083,12.354 11.084,12.355
GND on Int1 (GND) (split plane): 79.734,70.702 79.964,70.672 80.19,70.622 80.411,70.552 80.625,70.463 80.831,70.356 81.027,70.232 81.211,70.09 81.368,69.946 81.379,69.933 81.38,69.932 81.381,69.931 81.382,69.931 81.394,69.92 81.535,69.767 81.673,69.587 81.794,69.396 81.899,69.195 81.986,68.986 82.054,68.77 82.103,68.548 82.132,68.324 82.142,68.114 82.14,68.098 82.14,67.818 82.14,15.494 82.14,14.198 82.142,14.182 82.132,13.972 82.103,13.748 82.054,13.526 81.986,13.31 81.899,13.101 81.794,12.9 81.673,12.709 81.535,12.529 81.394,12.376 81.382,12.366 81.382,12.365 81.381,12.365 81.38,12.364 81.379,12.363 81.379,12.362 81.378,12.362 81.368,12.349 81.211,12.206 81.027,12.064 80.831,11.94 80.625,11.833 80.411,11.744 80.19,11.674 79.964,11.624 79.734,11.594 79.519,11.584 79.502,11.586 12.928,11.586 12.912,11.584 12.702,11.594 12.478,11.623 12.256,11.672 12.04,11.74 11.831,11.827 11.63,11.932 11.439,12.053 11.259,12.191 11.106,12.331 11.103,12.336 11.102,12.335 11.096,12.344 11.103,12.336 11.124,12.355 11.118,12.37 11.103,12.376 11.084,12.355 11.079,12.359 10.936,12.515 10.794,12.699 10.67,12.895 10.563,13.101 10.474,13.315 10.404,13.536 10.354,13.762 10.324,13.992 10.314,14.207 10.316,14.224 10.316,14.986 10.316,66.802 10.316,67.818 10.314,67.835 10.324,68.05 10.354,68.28 10.404,68.506 10.474,68.727 10.563,68.941 10.67,69.147 10.794,69.343 10.936,69.527 11.081,69.685 11.094,69.696 11.33,69.932 11.341,69.945 11.499,70.09 11.683,70.232 11.879,70.356 12.085,70.463 12.299,70.552 12.52,70.622 12.746,70.672 12.976,70.702 13.191,70.712 13.208,70.71 79.502,70.71 79.519,70.712
+4V2 on Int2 (PWR) (split plane): 70.51,40.598 70.51,32.3 69.808,31.598 66.59,31.598 66.366,31.822 66.333,31.844 66.294,31.852 60.748,31.852 60.554,32.046 60.554,40.598 61.256,41.3 69.808,41.3
+12V on Int2 (PWR) (split plane): 39.806,61.65 39.839,61.628 39.878,61.62 57.108,61.62 57.302,61.426 57.302,59.224 55.838,57.76 28.448,57.76 28.409,57.752 28.376,57.73 25.104,54.458 16.806,54.458 15.596,55.668 15.596,59.394 18.33,62.128 29.718,62.128 29.757,62.136 29.79,62.158 31.03,63.398 38.058,63.398
+5V on Int2 (PWR) (split plane): 53.746,51.52 53.746,49.826 52.536,48.616 47.752,48.616 47.713,48.608 47.68,48.586 46.258,47.164 46.236,47.131 46.228,47.092 46.228,42.012 46.189,42.004 46.156,41.982 46.134,41.949 46.126,41.91 46.126,19.092 44.916,17.882 17.06,17.882 15.596,19.346 15.596,28.152 16.298,28.854 34.544,28.854 34.583,28.862 34.616,28.884 35.378,29.646 35.4,29.679 35.408,29.718 35.408,43.18 35.408,50.758 36.618,51.968 53.298,51.968
+3V3 on Int2 (PWR) (split plane): 27.33,52.79 27.33,30.776 26.628,30.074 12.742,30.074 11.024,31.792 11.024,52.028 12.742,53.746 26.374,53.746
no net on Int2 (PWR) (split plane): 11.092,12.348 11.094,12.346 11.092,12.348 11.092,12.347 11.083,12.354 11.084,12.355
no net on Int2 (PWR) (split plane): 79.734,70.702 79.964,70.672 80.19,70.622 80.411,70.552 80.625,70.463 80.831,70.356 81.027,70.232 81.211,70.09 81.368,69.946 81.379,69.933 81.38,69.932 81.381,69.931 81.382,69.931 81.394,69.92 81.535,69.767 81.673,69.587 81.794,69.396 81.899,69.195 81.986,68.986 82.054,68.77 82.103,68.548 82.132,68.324 82.142,68.114 82.14,68.098 82.14,67.818 82.14,15.494 82.14,14.198 82.142,14.182 82.132,13.972 82.103,13.748 82.054,13.526 81.986,13.31 81.899,13.101 81.794,12.9 81.673,12.709 81.535,12.529 81.394,12.376 81.382,12.366 81.382,12.365 81.381,12.365 81.38,12.364 81.379,12.363 81.379,12.362 81.378,12.362 81.368,12.349 81.211,12.206 81.027,12.064 80.831,11.94 80.625,11.833 80.411,11.744 80.19,11.674 79.964,11.624 79.734,11.594 79.519,11.584 79.502,11.586 12.928,11.586 12.912,11.584 12.702,11.594 12.478,11.623 12.256,11.672 12.04,11.74 11.831,11.827 11.63,11.932 11.439,12.053 11.259,12.191 11.106,12.331 11.103,12.336 11.102,12.335 11.096,12.344 11.103,12.336 11.124,12.355 11.118,12.37 11.103,12.376 11.084,12.355 11.079,12.359 10.936,12.515 10.794,12.699 10.67,12.895 10.563,13.101 10.474,13.315 10.404,13.536 10.354,13.762 10.324,13.992 10.314,14.207 10.316,14.224 10.316,14.986 10.316,66.802 10.316,67.818 10.314,67.835 10.324,68.05 10.354,68.28 10.404,68.506 10.474,68.727 10.563,68.941 10.67,69.147 10.794,69.343 10.936,69.527 11.081,69.685 11.094,69.696 11.33,69.932 11.341,69.945 11.499,70.09 11.683,70.232 11.879,70.356 12.085,70.463 12.299,70.552 12.52,70.622 12.746,70.672 12.976,70.702 13.191,70.712 13.208,70.71 79.502,70.71 79.519,70.712

## Keep-outs
Keep-Out Layer:
  lines w0.2: 10.804,12.056 ccw(c12.928,14.18) 12.928,11.176 13.462,11.176 ; 10.804,12.056 cw(c12.972,14.224) 9.906,14.224 9.906,14.986 9.906,66.802 9.906,67.818 cw(c12.972,67.818) 10.804,69.986 11.04,70.222 cw(c13.208,68.054) 13.208,71.12 14.224,71.12 78.994,71.12 79.502,71.12 cw(c79.502,68.054) 81.67,70.222 ; 10.804,12.056 10.804,12.056 ; 13.462,11.176 13.462,11.176 ; 13.462,11.176 79.502,11.176 ccw(c79.502,14.242) 81.67,12.074 ; 81.67,12.074 ccw(c79.546,14.198) 82.55,14.198 82.55,15.494 82.55,67.818 82.55,68.098 ccw(c79.546,68.098) 81.67,70.222 ; 81.67,12.074 81.67,12.074 ; 81.67,70.222 81.67,70.222

## Other copper
Top Layer:
  region net +3V3: 21.082,33.485 20.502,33.485 20.348,33.331 20.348,33.112 20.492,32.968 21.074,32.968 21.087,32.98
  region net +3V3: 22.145,46.516 23.081,46.514 23.265,46.698 23.265,46.873 23.078,47.06 22.14,47.06 22.14,46.537 22.098,46.495 22.098,46.482
  region net +4V2: 68.961,35.433 69.85,36.322 70.358,36.322 70.549,36.131 70.549,35.695 69.624,34.77
  region net +4V2: 69.263,35.623
  region net NetF1_1: 18.034,70.104 17.526,69.596 17.526,66.04 17.78,65.786 26.831,65.786 27.178,66.133 27.178,69.85 26.924,70.104
  region net +5V: 36.576,47.879 36.322,47.625 36.322,42.418 36.83,41.91 42.926,41.91 43.434,42.418 43.434,47.371 42.926,47.879
  region net +3V3: 11.37,45.406 11.176,45.212 11.176,42.837 11.341,42.672 12.837,42.672 12.954,42.789 12.954,43.434 13.205,43.685 15.839,43.685 15.948,43.794 15.948,45.239 15.781,45.406
  region net +3V3: 21.363,36.718 21.153,36.716 21.105,36.669 21.105,34.779 20.853,34.527 20.853,32.76 20.935,32.678 24.214,32.678 24.384,32.848 24.384,34.326 24.166,34.544 21.824,34.544 21.556,34.812 21.556,36.652 21.489,36.718
  region net +4V2: 58.591,35.674 58.498,35.581 58.498,34.461 58.668,34.292 66.034,34.292 66.403,33.922 66.403,30.366 66.542,30.228 69.59,30.228 69.844,30.481 69.844,35.322 69.49,35.675 63.918,35.645
  region net +5V: 18.987,18.733 19.304,19.05 19.304,20.828 17.619,22.513 17.619,25.591 18.054,26.026 18.781,26.026 18.929,26.175 18.929,28.486 18.466,28.95 16.3,28.95 15.741,28.391 15.741,23.154 16.349,22.547 16.349,19.06 16.675,18.733
  region net +5V: 44.012,18.5 44.52,19.008 44.52,21.802 43.758,22.564 43.758,25.358 44.266,25.866 44.993,25.866 45.122,25.995 45.122,28.538 44.704,28.956 42.164,28.956 41.881,28.673 41.881,22.922 42.488,22.315 42.488,19.008 42.996,18.5
  region net +5V: 31.242,18.796 31.715,19.269 31.715,21.625 30.48,22.86 30.48,25.654 30.988,26.162 31.715,26.162 31.844,26.291 31.844,28.555 31.551,28.848 28.892,28.848 28.603,28.559 28.603,23.217 29.21,22.61 29.21,19.304 29.718,18.796
  region net +5V: 59.944,50.285 59.944,52.832 56.896,52.832 55.88,51.816 50.038,51.816 49.53,51.308 49.53,49.276 50.038,48.768 53.594,48.768 54.793,49.967 59.626,49.967
  region: 67.472,30.784
  region net +5V: 50.951,41.458 50.571,41.458 50.476,41.363 50.476,39.512 50.84,39.147 51.715,39.147 52.15,38.712 55.256,38.712 55.437,38.893 55.437,40.022 55.302,40.156 52.173,40.156 51.533,40.796 51.533,41.384 51.458,41.459 51.456,41.457 50.951,41.457
  region net CO2_IN-: 46.482,25.654 46.99,25.654 47.401,26.065 47.401,26.074 47.558,26.074 47.9,26.416 52.578,26.416 52.578,26.47 52.689,26.582 52.689,27.703 52.609,27.783 46.24,27.783 46.033,27.576 46.033,25.923 46.298,25.658 46.475,25.658
  region net +12V: 17.018,57.404 17.018,55.88 18.288,54.61 23.368,54.61 24.13,55.372 24.13,57.326 23.119,58.337 23.12,60.965 22.871,61.214 18.288,61.214 17.018,59.944
  region net CO_IN-: 33.02,28.194 32.766,27.94 32.766,26.416 33.02,26.162 33.782,26.162 34.29,26.67 39.37,26.67 39.624,26.924 39.624,27.94 39.37,28.194
  region net SO2_IN-: 19.558,27.94 19.304,27.686 19.304,25.993 19.447,25.851 20.263,25.851 20.638,26.226 25.932,26.226 26.037,26.331 26.037,27.578 25.821,27.795 20.465,27.795 20.32,27.94
  region net +3V3: 13.205,34.544 13.205,35.896 13.424,36.116 13.424,36.902 13.689,37.166 14.221,37.166 15.033,37.166 15.107,37.24 15.107,37.608 15.074,37.641 13.489,37.641 13.36,37.641 13.014,37.166 11.411,37.166 11.279,37.034 11.279,34.768 11.503,34.544
  region net NetD2_2: 23.368,65.024 23.114,64.77 23.114,62.738 24.384,61.468 24.384,60.198 24.638,59.944 25.908,59.944 26.416,60.452 26.416,61.722 26.924,62.23 27.178,62.23 27.432,62.484 27.432,64.77 27.178,65.024
Bottom Layer:
  region: 61.06,39.067
  region: 61.06,39.067
  region: 61.131,39.161
  region: 18.552,46.99
  region net +3V3: 13.716,46.736
Int2 (PWR) (plane layer: these items are gaps in the copper):
  lines w0.2: 46.228,41.91 46.228,19.05 44.958,17.78 17.018,17.78 15.494,19.304 15.494,28.194 16.256,28.956 18.796,28.956 34.544,28.956 35.306,29.718 35.306,43.18 35.306,50.8 36.576,52.07 53.34,52.07 53.848,51.562 53.848,49.784 52.578,48.514 47.752,48.514 46.33,47.092 46.33,41.91 ; 10.922,31.75 12.7,29.972 26.67,29.972 27.432,30.734 27.432,52.832 26.416,53.848 23.114,53.848 12.7,53.848 10.922,52.07 10.922,31.75 ; 15.494,55.626 16.764,54.356 25.146,54.356 28.448,57.658 55.88,57.658 57.404,59.182 57.404,61.468 57.15,61.722 39.878,61.722 38.1,63.5 30.988,63.5 29.718,62.23 22.86,62.23 20.574,62.23 18.288,62.23 15.494,59.436 15.494,55.626 ; 60.452,32.004 60.706,31.75 66.294,31.75 66.548,31.496 69.85,31.496 70.612,32.258 70.612,40.64 69.85,41.402 61.214,41.402 60.452,40.64 60.452,32.004

## Silkscreen, mask and mechanical layers (free items; w line width, h text height)
Top Overlay:
  drawing of 45 lines, arcs and shapes, not listed
  text "HAVA KALİTESİ ÖLÇÜMÜ" at 61.468,68.574 h1.7
  text "VCC" at 15.414,68.161 h1.5 r270

## Text inside footprints (layer, text, board x,y; h text height)
C30: Top Overlay "+" at 17.538,55.138 h2 r180
C32: Top Overlay "+" at 50.312,51.042 h2 r90
C33: Top Overlay "+" at 32.454,62.736 h2 r90